# Altium PCB 400389.PcbDoc (part 1 of 8) (continued)
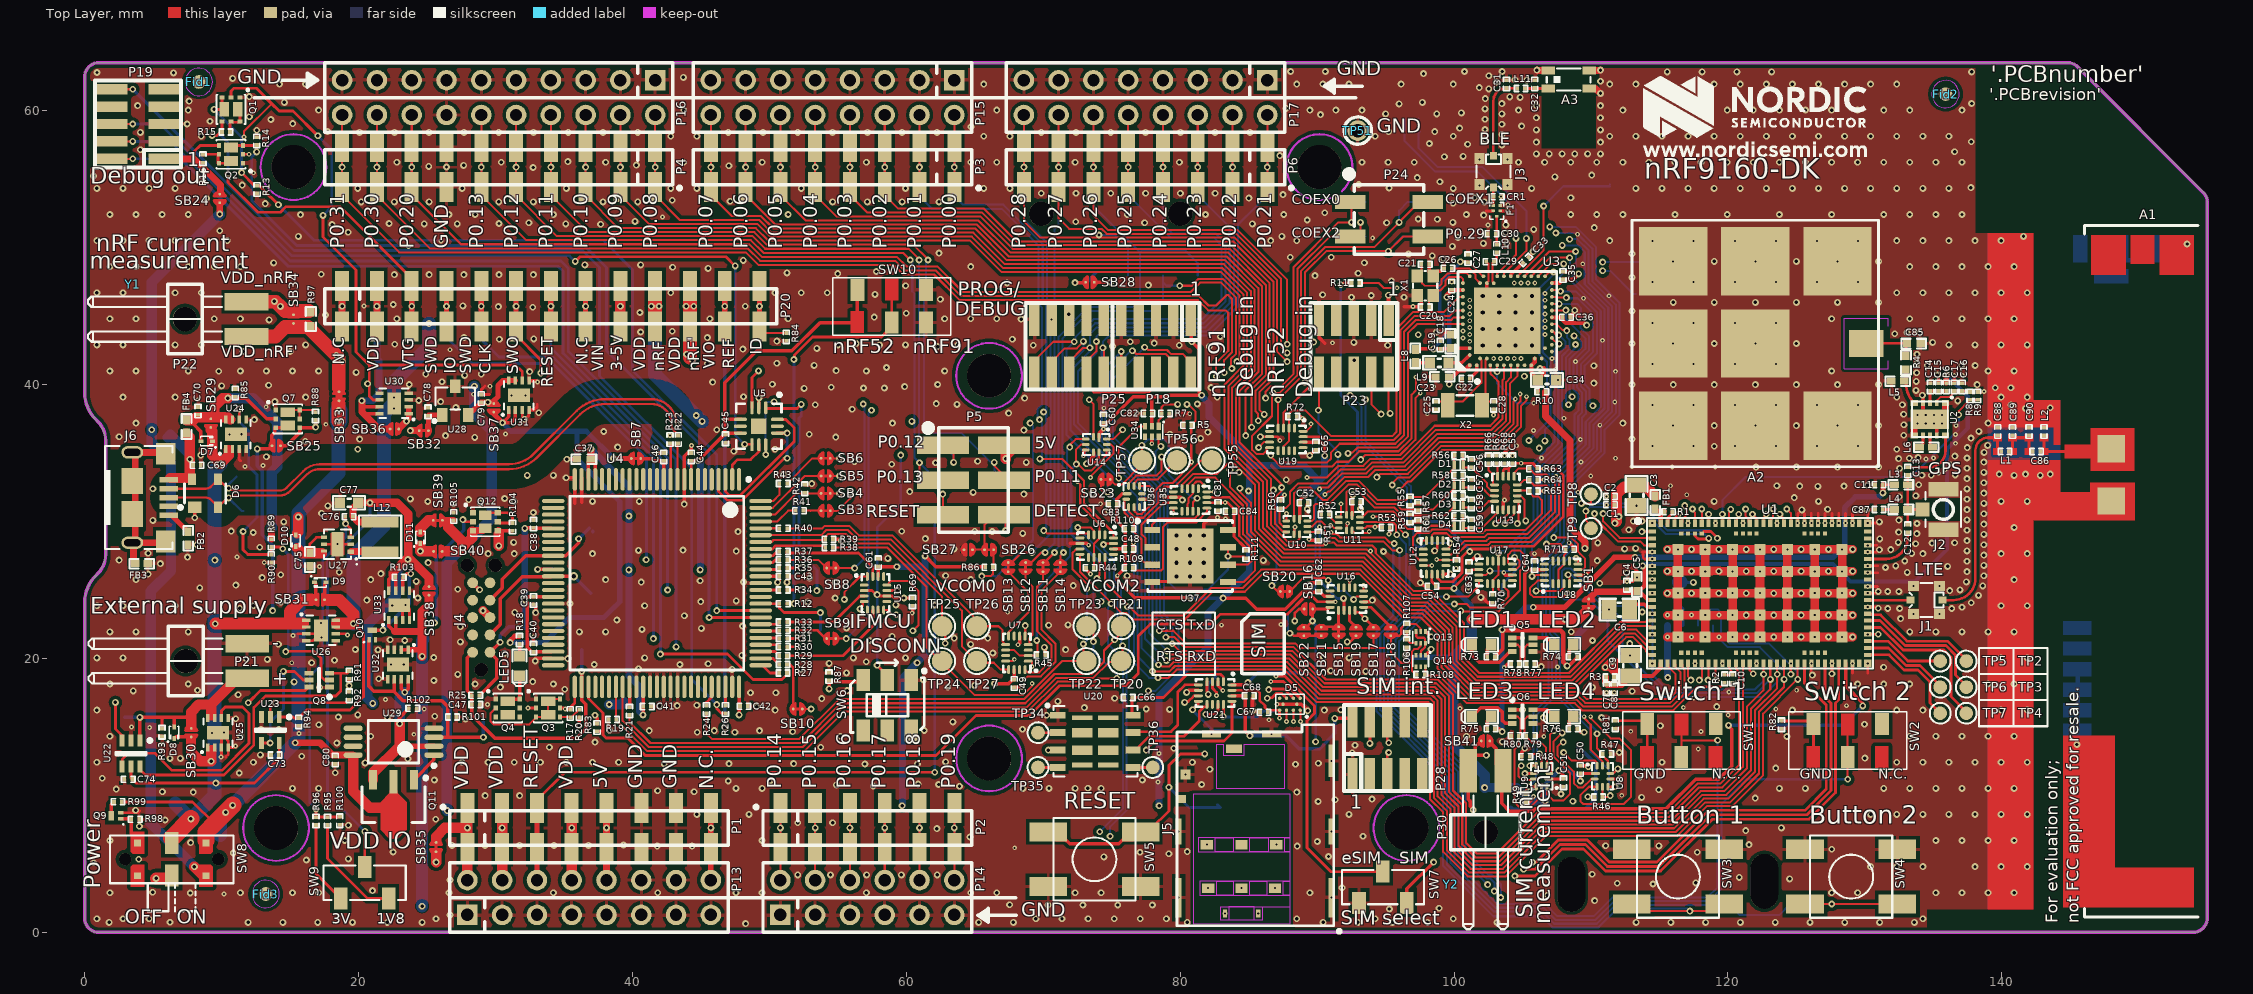
[diagram p0: Top Layer view]
## Components (designator, comment, footprint, x,y, rotation, side; value= is the part's Value field where it differs from the comment) (continued)
P10 "Pin List 1x10" LIST_1x10_SMD-NC 41.656,55.881 r180 bottom locked
P11 "Socket 2x3" SOCKET_2x3_SMD-2.54mm-bottom-NC 64.897,33.021 r270 top locked
P12 "Pin List 1x8" LIST_1x8_SMD-NC 86.36,55.881 r180 bottom locked
P13 "Pin Header 2x8" HDR_2x8-NC 36.83,2.541 r0 top locked
P14 "Pin Header 2x6" HDR_2x6-NC 57.15,2.541 r0 top locked
P15 "Pin Header 2x8" HDR_2x8-NC 54.61,60.961 r180 top locked
P16 "Pin Header 2x10" HDR_2x10-NC 30.226,60.961 r180 top locked
P17 "Pin Header 2x8" HDR_2x8-NC 77.47,60.961 r180 top locked
P18 "Pin Header 2x5, 1.27mm" HDR_2x5-SMD-1.27mm-K 78.232,42.8 r180 top locked
P19 "Pin Header 2x5, 1.27mm" HDR_2x5-SMD-1.27mm-K 3.886,59.031 r90 top locked
P20 "Pin List 1x13" LIST_1x13_SMD 18.796,45.721 r0 top locked
P21 "Pin List 1x2, Angled" LIST_ANG_1x2-SMD-2.54MM 11.862,19.813 r270 top
P22 "Pin List 1x2, Angled" LIST_ANG_1x2-SMD-2.54MM 11.811,44.779 r270 top
P23 "Pin Header 2x5, 1.27mm" HDR_2x5-SMD-1.27mm-K 92.675,42.8 r180 top locked
P24 "SSM-102-T-DV-BE-TR" SSM-102-T-DV-BE-TR 95.25,52.071 r270 top locked
P25 "Pin Header 2x10, 1.27mm" HDR_2x10-SMD-1.27mm-NC 75.057,42.8 r180 top locked
P26 "Socket 1x13" LIST_1x13_SMD-NC 18.796,45.721 r0 bottom locked
P27 "Conn 2x2" HDR_2x2-SMD 95.25,52.071 r270 bottom locked
P28 "Pin Header 2x5, 1.27mm" HDR_2x5-SMD-1.27mm 95.123,13.463 r0 top locked
P29 "Pin List 1x6, Angled" LIST_ANG_1x6-SMD-2.54MM 74.93,47.981 r0 bottom locked
P30 "Pin List 1x2, Angled" LIST_ANG_1x2-SMD-2.54MM 102.3,11.8 r0 top locked
Q1 "PMCPB5530" PMCPB5530X 10.677,60.097 r270 top
Q2 "PMCPB5530" PMCPB5530X 10.677,56.821 r180 top
Q3 "PMCPB5530" PMCPB5530X 33.84,16.383 r0 top
Q4 "PMCPB5530" PMCPB5530X 30.886,16.383 r0 top
Q5 "NX3020NAKV" NX3020NAKV 105,21 r0 top
Q6 "NX3020NAKV" NX3020NAKV 105,15.75 r0 top
Q7 "PMCPB5530" PMCPB5530X 14.821,37.491 r0 top
Q8 "NX3020NAKV" NX3020NAKV 17.113,18.416 r180 top
Q9 "RV2C010UNT2L" DFN65P100X40-3L 2.286,8.51 r180 top
Q10 "RV2C010UNT2L" DFN65P100X40-3L 21.006,21.718 r90 top
Q11 "FCX690BTA" SOT89-150P409X160-3N 22.548,9.346 r270 top locked
Q12 "TSM2537CQ RFG" DFN65P200X200X80_HS-6N 29.248,29.984 r0 top
Q13 "DMC2990UDJ" SOTFL35P100X50-6N 97.561,21.539 r270 top
Q14 "DMC2990UDJ" SOTFL35P100X50-6N 97.561,19.812 r270 top
R1 "10k" RESC0603X03L_C 115.672,30.709 r0 top
R2 "1k" RESC0603X03L_C 119.761,18.517 r90 top
R3 "0R" RESC0603X03L_C 111.4,18.65 r180 top
R4 "0R" RESC1005X04L 133,41.6 r90 top
R5 "1M0" RESC0603X03L_C 80.518,37.033 r0 top
R6 "0R" RESC0603X03L_C 135.95,39.822 r90 top
R7 "1M0" RESC0603X03L_C 78.918,37.897 r180 top
R8 "0R" RESC0603X03L_C 137.675,39.172 r90 top
R9 "1M0" RESC0603X03L_C 138.25,39.172 r270 top
R10 "0R" RESC0603X03L_C 106.399,39.477 r180 top
R11 "1M0" RESC0603X03L_C 92.786,47.422 r180 top
R12 "100k" RESC0603X03L_C 51.007,24.001 r180 top
R13 "10k" RESC0603X03L_C 12.584,54.24 r90 top
R14 "10k" RESC0603X03L_C 12.562,57.786 r90 top
R15 "10k" RESC0603X03L_C 10.312,58.446 r0 top
R16 "10k" RESC0603X03L_C 8.626,56.491 r270 top
R17 "N.C." RESC0603X03L_C_NC 35.458,15.977 r270 top
R18 "120R" RESC0603X03L_C 31.75,21.336 r90 top
R19 "1M0" RESC0603X03L_C 38.532,15.545 r180 top
R20 "10k" RESC0603X03L_C 36.119,15.977 r90 top
R21 "150R" RESC0603X03L_C 39.783,16.15 r270 top
R22 "33R" RESC0603X03L_C 43.334,35.995 r270 top
R23 "33R" RESC0603X03L_C 42.732,35.995 r270 top
R24 "150R" RESC0603X03L_C 45.402,16.277 r270 top
R25 "100k" RESC0603X03L_C 28.547,17.304 r0 top
R26 "150R" RESC0603X03L_C 46.783,16.277 r270 top
R27 "150R" RESC0603X03L_C 50.998,18.933 r0 top
R28 "150R" RESC0603X03L_C 50.998,19.559 r0 top
R29 "150R" RESC0603X03L_C 50.998,20.194 r0 top
R30 "150R" RESC0603X03L_C 51.007,20.849 r0 top
R31 "150R" RESC0603X03L_C 51.007,21.45 r0 top
R32 "150R" RESC0603X03L_C 51.007,22.052 r0 top
R33 "150R" RESC0603X03L_C 51.007,22.653 r0 top
R34 "150R" RESC0603X03L_C 51.007,25.001 r0 top
R35 "150R" RESC0603X03L_C 51.007,26.603 r0 top
R36 "150R" RESC0603X03L_C 51.007,27.204 r0 top
R37 "150R" RESC0603X03L_C 51.007,27.806 r0 top
R38 "150R" RESC0603X03L_C 54.357,28.106 r0 top
R39 "1M0" RESC0603X03L_C 54.356,28.702 r0 top
R40 "150R" RESC0603X03L_C 51.007,29.501 r0 top
R41 "150R" RESC0603X03L_C 52.197,30.795 r0 top
R42 "1M0" RESC0603X03L_C 52.578,32.396 r90 top
R43 "150R" RESC0603X03L_C 51.007,32.771 r0 top
R44 "1M0" RESC0603X03L_C 73.406,26.619 r0 top
R45 "1M0" RESC0603X03L_C 69.85,20.244 r180 top
R46 "1M0" RESC0603X03L_C 110.541,9.881 r0 top
R47 "1M0" RESC0603X03L_C 111.15,13.03 r180 top
R48 "1M0" RESC0603X03L_C 105.232,12.827 r0 top
R49 "1M0" RESC0603X03L_C 105.232,9.804 r90 top
R50 "1M0" RESC0603X03L_C 87.325,31.242 r270 top
R51 "1M0" RESC0603X03L_C 90.094,28.931 r90 top
R52 "1M0" RESC0603X03L_C 90.576,30.505 r0 top
R53 "1M0" RESC0603X03L_C 95.021,29.566 r180 top
R54 "1M0" RESC0603X03L_C 100.178,26.873 r90 top
R55 "100k" RESC0603X03L_C 96.774,31.496 r270 top
R56 "18k" RESC0603X03L_C 100.33,34.849 r180 top
R57 "100k" RESC0603X03L_C 97.358,31.09 r90 top
R58 "18k" RESC0603X03L_C 100.33,33.376 r180 top
R59 "100k" RESC0603X03L_C 96.774,30.251 r270 top
R60 "18k" RESC0603X03L_C 100.33,31.902 r180 top
R61 "100k" RESC0603X03L_C 97.358,29.794 r90 top
R62 "18k" RESC0603X03L_C 100.33,30.429 r180 top
R63 "4k7" RESC0603X03L_C 105.791,33.858 r0 top
R64 "4k7" RESC0603X03L_C 105.791,33.045 r0 top
R65 "12k" RESC0603X03L_C 105.791,32.233 r0 top
R66 "12k" RESC0603X03L_C 102.514,34.519 r90 top
R67 "N.C." RESC0603X03L_C_NC 103.099,34.519 r90 top
R68 "0R" RESC0603X03L_C 103.683,34.519 r270 top
R69 "1M0" RESC0603X03L_C 60.452,24.131 r90 top
R70 "1M0" RESC0603X03L_C 102.819,24.359 r90 top
R71 "1M0" RESC0603X03L_C 108.433,27.965 r180 top
R72 "1M0" RESC0603X03L_C 88.214,37.668 r180 top
R73 "120R" RESC0603X03L_C 102.699,20.118 r0 top
R74 "120R" RESC0603X03L_C 108.699,20.118 r0 top
R75 "120R" RESC0603X03L_C 102.699,14.868 r0 top
R76 "120R" RESC0603X03L_C 108.699,14.868 r0 top
R77 "1M0" RESC0603X03L_C 105.574,19.6 r180 top
R78 "1M0" RESC0603X03L_C 104.456,19.6 r0 top
R79 "1M0" RESC0603X03L_C 105.563,14.35 r180 top
R80 "1M0" RESC0603X03L_C 104.445,14.35 r0 top
R81 "1k" RESC0603X03L_C 111.769,15.159 r90 top
R82 "1k" RESC0603X03L_C 123.906,15.157 r90 top
R83 "100k" RESC0603X03L_C 37.414,14.961 r90 top
R84 "422R" RESC0603X03L_C 51.232,43.485 r90 top
R85 "150k" RESC0603X03L_C 10.986,39.396 r270 top
R86 "1M0" RESC0603X03L_C 66.04,26.67 r180 top
R87 "47k" RESC0603X03L_C 54.356,18.67 r270 top
R88 "1M0" RESC0603X03L_C 16.853,37.703 r90 top
R89 "820k" RESC0603X03L_C 13.623,28.424 r90 top
R90 "470k" RESC0603X03L_C 13.623,27.306 r90 top
R91 "1M0" RESC0603X03L_C 19.304,18.797 r270 top
R92 "1M0" RESC0603X03L_C 19.304,17.273 r90 top
R93 "10M" RESC0603X03L_C 5.639,14.606 r90 top
R94 "10M" RESC0603X03L_C 15.625,15.368 r90 top
R95 "150k" RESC0603X03L_C 17.729,8.129 r270 top
R96 "330k" RESC0603X03L_C 16.891,8.129 r270 top
R97 "N.C." RESC1005X04L_NC 16.51,44.779 r270 top
R98 "10M" RESC0603X03L_C 3.683,8.256 r180 top
R99 "1k" RESC0603X03L_C 2.413,9.526 r0 top
R100 "120k" RESC0603X03L_C 18.629,8.144 r90 top
R101 "100k" RESC0603X03L_C 26.848,15.723 r0 top
R102 "10M" RESC0603X03L_C 23.952,16.358 r180 top
R103 "1M0" RESC0603X03L_C 22.962,25.934 r180 top
R104 "10k" RESC0603X03L_C 31.243,29.603 r90 top
R105 "10k" RESC0603X03L_C 26.939,30.365 r270 top
R106 "10k" RESC0603X03L_C 96.545,21.082 r90 top
R107 "100k" RESC0603X03L_C 96.545,22.225 r270 top
R108 "N.C." RESC0603X03L_C_NC 97.561,18.821 r0 top
R109 "100k" RESC0603X03L_C 76.27,26.619 r180 top
R110 "100k" RESC0603X03L_C 76.27,29.463 r180 top
R111 "100k" RESC0603X03L_C 84.8,27.59 r90 top
SB1 "Solderbridge" Solderbridge_Shorted#1 109.824,24.003 r90 top net-tie
SB2 "Solderbridge" Solderbridge#1 116.475,25.575 r0 bottom
SB3 "Solderbridge" Solderbridge_Shorted#1 54.107,30.784 r180 top net-tie
SB4 "Solderbridge" Solderbridge_Shorted#1 54.107,32.054 r180 top net-tie
SB5 "Solderbridge" Solderbridge_Shorted#1 54.107,33.324 r180 top net-tie
SB6 "Solderbridge" Solderbridge_Shorted#1 54.107,34.615 r180 top net-tie
SB7 "Solderbridge" Solderbridge_Shorted#1 40.257,34.6 r180 top net-tie
SB8 "Solderbridge" Solderbridge_Shorted#1 54.514,26.603 r180 top net-tie
SB9 "Solderbridge" Solderbridge_Shorted#1 54.514,21.45 r180 top net-tie
SB10 "Solderbridge" Solderbridge_Shorted#1 52.07,16.308 r180 top net-tie
SB11 "Solderbridge" Solderbridge_Shorted#1 69.977,26.67 r270 top net-tie
SB12 "Solderbridge" Solderbridge_Shorted#1 68.707,26.67 r270 top net-tie
SB13 "Solderbridge" Solderbridge_Shorted#1 67.437,26.67 r270 top net-tie
SB14 "Solderbridge" Solderbridge_Shorted#1 71.247,26.67 r270 top net-tie
SB15 "Solderbridge" Solderbridge_Shorted#1 91.567,21.971 r270 top net-tie
SB16 "Solderbridge" Solderbridge#2 89.357,23.611 r180 top
SB17 "Solderbridge" Solderbridge#3 94.107,21.971 r270 top
SB18 "Solderbridge" Solderbridge#4 95.377,21.971 r270 top
SB19 "Solderbridge" Solderbridge#5 92.837,21.971 r270 top
SB20 "Solderbridge" Solderbridge_Shorted#1 87.655,24.892 r180 top net-tie
SB21 "Solderbridge" Solderbridge#5 90.297,21.971 r90 top
SB22 "Solderbridge" Solderbridge#3 89.027,21.971 r270 top
SB23 "Solderbridge" Solderbridge_Shorted#1 74.547,33.076 r0 top net-tie
SB24 "Solderbridge" Solderbridge#3 9.855,53.595 r270 top
SB25 "Solderbridge" Solderbridge#6 13.983,35.535 r180 top
SB26 "Solderbridge" Solderbridge_Shorted#1 66.04,27.941 r0 top net-tie
SB27 "Solderbridge" Solderbridge#5 64.516,27.941 r0 top
SB28 "Solderbridge" Solderbridge#7 73.406,47.473 r180 top
SB29 "Solderbridge" Solderbridge#8 9.208,37.187 r90 top
SB30 "Solderbridge" Solderbridge#9 7.772,14.581 r90 top
SB31 "Solderbridge" Solderbridge#6 17.196,24.283 r0 top
SB32 "Solderbridge" Solderbridge_Shorted#2 24.755,36.637 r180 top net-tie
SB33 "Solderbridge" Solderbridge_Shorted_Power 18.565,39.148 r90 top net-tie
SB34 "Solderbridge" Solderbridge#4 15.24,44.779 r270 top
SB35 "Solderbridge" Solderbridge_Shorted#1 25.654,6.224 r270 top net-tie
SB36 "Solderbridge" Solderbridge#8 22.606,36.755 r180 top
SB37 "Solderbridge" Solderbridge#10 29.87,38.304 r270 top
SB38 "Solderbridge" Solderbridge#3 25.135,24.938 r90 top
SB39 "Solderbridge" Solderbridge_Shorted#1 25.781,30.084 r180 top net-tie
SB40 "Solderbridge" Solderbridge#3 25.781,27.814 r0 top
SB41 "Solderbridge" Solderbridge#8 102.3,13.975 r180 top
SW1 "JS102011JCQN" JS102011JCQN 116.6,14 r180 top locked
SW2 "JS102011JCQN" JS102011JCQN 128.746,14 r180 top
SW3 "PB SW" Switch-PB-6.2x6.3mm-SMD 116.346,4.065 r0 top locked
SW4 "PB SW" Switch-PB-6.2x6.3mm-SMD 129,4.065 r0 top
SW5 "PB SW" Switch-PB-6.2x6.3mm-SMD 73.736,5.334 r180 top locked
SW6 "CAS-220TA" CAS-220TA 58.611,16.588 r180 top locked
SW7 "Switch" CJS-120xA 94.8,3.3 r0 top
SW8 "Switch" JS102011JAQN 6.35,5.335 r0 top locked
SW9 "Switch" CJS-120xA 20.442,3.624 r0 top
SW10 "JS102011JCQN" JS102011JCQN 58.928,45.72 r180 top
TP2 "Ø1.0mm,SMD" TP_SMD_D1.0mm 137.405,19.81 r0 top
TP3 "Ø1.0mm,SMD" TP_SMD_D1.0mm 137.405,17.905 r0 top
TP4 "Ø1.0mm,SMD" TP_SMD_D1.0mm 137.405,16 r0 top
TP5 "Ø1.0mm,SMD" TP_SMD_D1.0mm 135.5,19.81 r0 top
TP6 "Ø1.0mm,SMD" TP_SMD_D1.0mm 135.5,17.905 r0 top
TP7 "Ø1.0mm,SMD" TP_SMD_D1.0mm 135.5,16 r0 top
TP8 "Ø1.0mm,SMD" TP_SMD_D1.0mm 110,32 r270 top
TP9 "Ø1.0mm,SMD" TP_SMD_D1.0mm 110,29.5 r270 top
TP10 "Ø1.5mm,SMD" TP_SMD_D1.5mm 105.819,38.637 r180 bottom locked
TP11 "Ø1.5mm,SMD" TP_SMD_D1.5mm 111.379,54.484 r180 bottom locked
TP12 "Ø1.5mm,SMD" TP_SMD_D1.5mm 113.284,46.61 r90 bottom locked
TP13 "Ø1.5mm,SMD" TP_SMD_D1.5mm 114.808,48.979 r90 bottom locked
TP14 "Ø1.5mm,SMD" TP_SMD_D1.5mm 53.721,22.079 r90 bottom locked
TP15 "Ø1.5mm,SMD" TP_SMD_D1.5mm 32.129,22.353 r90 bottom locked
TP16 "Ø1.5mm,SMD" TP_SMD_D1.5mm 36.957,24.766 r90 bottom locked
TP17 "Ø1.5mm,SMD" TP_SMD_D1.5mm 36.283,20.65 r90 bottom locked
TP18 "Ø1.5mm,SMD" TP_SMD_D1.5mm 36.83,29.529 r90 bottom locked
TP19 "Ø1.5mm,SMD" TP_SMD_D1.5mm 34.163,26.544 r90 bottom locked
TP20 "Ø1.5mm,SMD" TP_SMD_D1.5mm 75.692,19.812 r0 top locked
TP21 "Ø1.5mm,SMD" TP_SMD_D1.5mm 75.692,22.352 r0 top locked
TP22 "Ø1.5mm,SMD" TP_SMD_D1.5mm 73.152,19.812 r0 top locked
TP23 "Ø1.5mm,SMD" TP_SMD_D1.5mm 73.152,22.352 r0 top locked
TP24 "Ø1.5mm,SMD" TP_SMD_D1.5mm 62.611,19.812 r0 top locked
TP25 "Ø1.5mm,SMD" TP_SMD_D1.5mm 62.611,22.352 r0 top locked
TP26 "Ø1.5mm,SMD" TP_SMD_D1.5mm 65.151,22.352 r0 top locked
TP27 "Ø1.5mm,SMD" TP_SMD_D1.5mm 65.151,19.812 r0 top locked
TP29 "Ø1.5mm,SMD" TP_SMD_D1.5mm 127.127,11.177 r90 bottom locked
TP31 "Ø1.5mm,SMD" TP_SMD_D1.5mm 125.476,2.065 r90 bottom locked
TP32 "Ø1.5mm,SMD" TP_SMD_D1.5mm 82.931,9.111 r90 bottom locked
TP33 "Ø1.5mm,SMD" TP_SMD_D1.5mm 88.804,18.912 r180 bottom locked
TP34 "Ø1.0mm,SMD" TP_SMD_D1.0mm 69.613,14.581 r270 top
TP35 "Ø1.0mm,SMD" TP_SMD_D1.0mm 69.613,12.041 r225 top
TP36 "Ø1.0mm,SMD" TP_SMD_D1.0mm 77.995,12.041 r225 top
TP37 "Ø1.5mm,SMD" TP_SMD_D1.5mm 82.839,19.442 r180 bottom locked
TP38 "Ø1.5mm,SMD" TP_SMD_D1.5mm 83.82,14.733 r180 bottom locked
TP39 "Ø1.5mm,SMD" TP_SMD_D1.5mm 86.96,16.14 r180 bottom locked
TP40 "Ø1.5mm,SMD" TP_SMD_D1.5mm 6.248,36.323 r180 bottom locked
TP41 "Ø1.5mm,SMD" TP_SMD_D1.5mm 66.759,26.163 r180 bottom locked
TP42 "Ø1.5mm,SMD" TP_SMD_D1.5mm 6.985,25.102 r180 bottom locked
TP43 "Ø1.5mm,SMD" TP_SMD_D1.5mm 11.074,33.276 r180 bottom locked
TP44 "Ø1.5mm,SMD" TP_SMD_D1.5mm 11.582,30.76 r180 bottom locked
TP45 "Ø1.5mm,SMD" TP_SMD_D1.5mm 104.154,9.145 r180 bottom locked
TP46 "Ø1.5mm,SMD" TP_SMD_D1.5mm 2.921,15.718 r90 bottom locked
TP47 "Ø1.5mm,SMD" TP_SMD_D1.5mm 6.604,9.399 r90 bottom locked
TP48 "Ø1.5mm,SMD" TP_SMD_D1.5mm 24.795,21.38 r90 bottom locked
TP49 "Ø1.5mm,SMD" TP_SMD_D1.5mm 9.869,7.113 r90 bottom locked
TP50 "Ø1.5mm,SMD" TP_SMD_D1.5mm 39.37,16.803 r90 bottom locked
TP51 "TP" TESTPAD-TH 92.964,58.548 r0 top
TP53 "Ø1.5mm,SMD" TP_SMD_D1.5mm 29.108,15.386 r90 bottom locked
TP54 "Ø1.5mm,SMD" TP_SMD_D1.5mm 22.987,13.965 r90 bottom locked
TP55 "Ø1.5mm,SMD" TP_SMD_D1.5mm 82.296,34.468 r0 top
TP56 "Ø1.5mm,SMD" TP_SMD_D1.5mm 79.756,34.468 r0 top
TP57 "Ø1.5mm,SMD" TP_SMD_D1.5mm 77.216,34.468 r0 top
U1 "nRF9160-SICAB1A" LGA50P1600X1050X104-161N 122.34,24.764 r0 top locked
U2 "SKY65943-11" SKY65943-11 134.747,37.465 r270 top
U3 "nRF52840-QIAA" AQFN50P700X700X85_HS-74N 103.894,44.661 r90 top
U4 "MK22FN128VLL10" TSQFP50P1600X1600X160-100N 41.783,25.501 r270 top locked
U5 "DG2034EDN" DG2034EDN 49.228,36.958 r270 top
U6 "FSA2466UMX" XQFN40P180X260X50-16N 73.902,28.2 r270 top
U7 "FSA2466UMX" XQFN40P180X260X50-16N 68.072,20.409 r180 top
U8 "FSA2259UMX" UFQFN40P140X180X55-10N 110.842,11.399 r0 top
U9 "FSA2259UMX" UFQFN40P140X180X55-10N 106.398,11.399 r180 top
U10 "FSA2259UMX" UFQFN40P140X180X55-10N 88.519,29.642 r270 top locked
U11 "FSA2259UMX" UFQFN40P140X180X55-10N 92.354,29.921 r270 top
U12 "NX3DV2567" XQFN40P180X260X50-16N 98.577,27.381 r180 top
U13 "PCAL6408A" XQFN40P180X260X50-16N 103.784,32.08 r0 top
U14 "FSA2259UMX" UFQFN40P140X180X55-10N 73.87,35.621 r270 top
U15 "FSA2466UMX" XQFN40P180X260X50-16N 57.746,24.757 r0 top
U16 "FSA2466UMX" XQFN40P180X260X50-16N 92.168,24.338 r90 top
U17 "FSA2466UMX" XQFN40P180X260X50-16N 103.033,26.285 r90 top locked
U18 "FSA2466UMX" XQFN40P180X260X50-16N 107.817,26.285 r90 top locked
U19 "FSA2466UMX" XQFN40P180X260X50-16N 87.75,35.991 r270 top locked
U20 "MFFx_M2M_UICC" SON127P600X90_HS-8N 73.804,13.946 r0 top value="M2M UICC"
U21 "NX3DV2567" XQFN40P180X260X50-16N 82.55,17.474 r270 top locked
U22 "74LVC1G11" SOT65P210X100-6N 3.378,13.057 r270 top
U23 "74LVC1G08" SOT65P210X100-5N 13.552,14.774 r270 top
U24 "ADP198ACPZ" UFDFN50P200X200X60_HS-9N 11.036,36.374 r90 top
U25 "ADP198ACPZ" UFDFN50P200X200X60_HS-9N 9.728,14.581 r90 top
U26 "ADP198ACPZ" UFDFN50P200X200X60_HS-9N 17.247,22.048 r0 top
U27 "XC9236" USP-6C 18.453,28.345 r180 top
U28 "AP7333-33SAG-7" SOT-23A 26.101,37.779 r0 top
U29 "TS27L2IPT" TSOP65P640X120-8N 22.548,13.918 r180 top
U30 "ADP198ACPZ" UFDFN50P200X200X60_HS-9N 22.59,38.631 r180 top
U31 "ADP198ACPZ" UFDFN50P200X200X60_HS-9N 31.699,39.219 r90 top
U32 "ADP198ACPZ" UFDFN50P200X200X60_HS-9N 22.86,19.559 r270 top
U33 "ADP198ACPZ" UFDFN50P200X200X60_HS-9N 22.962,23.877 r90 top
U34 "FSA4157L6X" PSON50P100X60-6N 77.927,36.576 r270 top
U35 "FSA2466UMX" XQFN40P180X260X50-16N 80.721,31.572 r270 top locked
U36 "FSA2259UMX" UFQFN40P140X180X55-10N 76.632,31.826 r0 top
U37 "MX25R6435FZNIL0" SON127P600X80_HS-9N 80.721,27.483 r0 top value=MX25R6435F
X1 "32MHz" BT-XTAL_2016 97.892,47.219 r270 top
X2 "32.768kHz" XTAL_3215 100.787,38.481 r0 top
Y1 "Shunt 2.54mm" Shunt_2.54mm_Horizontal 3.505,47.319 r270 top
Y2 "Shunt 2.54mm" Shunt_2.54mm_Horizontal 99.76,3.494 r0 top

## Footprints (in the part's own frame and the unit in brackets; to place one, negate y for a bottom-side part, rotate by r counter-clockwise, add the part's x,y. Pads: shape width x height; smd on the part's side, far side on the other; paste and mask are expansions set on the pad)
2450AT18D0100_STD-L [mm] "2450MHz Antenna"
  rect 1x0.6 smd mask+0.051: 1(-1.5,-0.65) 2(-1.5,0.65) 2(1.5,-0.65) 2(1.5,0.65)
  Top Layer pour cut-out: -2,-5.05 -2,0.95 2,0.95 2,-5.05
  Bottom Layer pour cut-out: -2,-5.05 -2,0.95 2,0.95 2,-5.05
  silkscreen extent -1.6,-0.8 1.6,0.8, body extent -1.61,-0.81 1.61,0.81, height 1.2
AQFN50P700X700X85_HS-74N [mm] "AQFN, 73-Leads, Body 7.00x7.00mm, Pitch 0.50mm, Thermal Pad 4.95x4.95mm, IPC Medium Density"
  rect 4.85x4.85 smd paste-5 mask+0.05: 74(0,0)
  round 0.275 smd paste+0.012 mask+0.05: A8(-1.25,3.25) A10(-0.75,3.25) A12(-0.25,3.25) A14(0.25,3.25) A16(0.75,3.25) A18(1.25,3.25) A20(1.75,3.25) A22(2.25,3.25) A23(2.75,3.25) AA24(3.25,-2.25) AB2(-2.75,-2.5) AC5(-2,-2.75) AC9(-1,-2.75) AC11(-0.5,-2.75) AC13(0,-2.75) AC15(0.5,-2.75) AC17(1,-2.75) AC19(1.5,-2.75) AC21(2,-2.75) AC24(3.25,-2.75) AD2(-2.75,-3.25) AD4(-2.25,-3.25) AD6(-1.75,-3.25) AD8(-1.25,-3.25) AD10(-0.75,-3.25) AD12(-0.25,-3.25) AD14(0.25,-3.25) AD16(0.75,-3.25) AD18(1.25,-3.25) AD20(1.75,-3.25) AD22(2.25,-3.25) AD23(2.75,-3.25) B1(-3.25,2.75) B3(-2.5,2.75) B5(-2,2.75) B7(-1.5,2.75) B9(-1,2.75) B11(-0.5,2.75) B13(0,2.75) B15(0.5,2.75) B17(1,2.75) B19(1.5,2.75) B24(3.25,2.75) C1(-3.25,2.25) D2(-2.75,2) D23(2.75,2) E24(3.25,1.75) F2(-2.75,1.5) F23(2.75,1.5) G1(-3.25,1.25) H2(-2.75,1) H23(2.75,1) J1(-3.25,0.75) J24(3.25,0.75) K2(-2.75,0.5) L1(-3.25,0.25) L24(3.25,0.25) M2(-2.75,0) N1(-3.25,-0.25) N24(3.25,-0.25) P2(-2.75,-0.5) P23(2.75,-0.5) R1(-3.25,-0.75) R24(3.25,-0.75) T2(-2.75,-1) T23(2.75,-1) U1(-3.25,-1.25) U24(3.25,-1.25) V23(2.75,-1.5) W1(-3.25,-1.75) W24(3.25,-1.75) Y2(-2.75,-2) Y23(2.75,-2)
  rrect15% 0.94x0.94 on Top Paste: ""(-1.71,-1.71) ""(-1.71,-0.57) ""(-1.71,0.57) ""(-1.71,1.71) ""(-0.57,1.71) ""(-0.57,-0.57) ""(-0.57,0.57) ""(-0.57,-1.71) ""(0.57,1.71) ""(0.57,-0.57) ""(0.57,0.57) ""(0.57,-1.71) ""(1.71,-1.71) ""(1.71,-0.57) ""(1.71,0.57) ""(1.71,1.71)
  silkscreen extent -4.56,-3.6 3.6,3.6, body extent -3.5,-3.5 3.5,3.5, height 0.87
BT-XTAL_2016 [mm] "Crystal 2.0 x 1.6 mm"
  rect 0.95x0.85 smd: 1(-0.725,-0.575) 2(0.725,-0.575) 3(0.725,0.575) 4(-0.725,0.575)
  silkscreen extent -1.08,-0.88 1.08,0.88, body extent -1.05,-0.85 1.05,0.85, height 0.56
CAPC0603X03L_C [mm] "Chip Capacitor, 2-Leads, Body 0.6x0.3mm, IPC High Density"
  rect 0.27x0.3 smd mask+0.05: 1(-0.285,0) 2(0.285,0)
  silkscreen extent -0.49,-0.22 0.49,0.22, body extent -0.3,-0.15 0.31,0.15, height 0.3
CAPC0603X03L_C_NC [mm] "Chip Capacitor, 2-Leads, Body 0.6x0.3mm, IPC High Density"
  rect 0.27x0.3 smd mask+0.05: 1(-0.285,0) 2(0.285,0)
  silkscreen extent -0.49,-0.22 0.49,0.22
CAPC1005X04L [mm] "Chip Capacitor, 2-Leads, Body 1.0x0.5mm, IPC High Density"
  rect 0.6x0.5 smd: 1(-0.5,0) 2(0.5,0)
  silkscreen extent -0.9,-0.35 0.9,0.35, body extent -0.51,-0.25 0.51,0.25, height 0.5
CAPC1005X04L_NC [mm] "Chip Capacitor, 2-Leads, Body 1.0x0.5mm, IPC High Density"
  rect 0.6x0.5 smd: 1(-0.5,0) 2(0.5,0)
  silkscreen extent -0.9,-0.35 0.9,0.35
CAPC1608X06L [mm] "Chip Capacitor, 2-Leads, Body 1.6x0.8mm, IPC High Density"
  rect 0.75x0.8 smd: 1(-0.675,0) 2(0.675,0)
  silkscreen extent -1.17,-0.5 1.17,0.5, body extent -0.8,-0.43 0.8,0.43, height 0.8
CAPC2012X11L [mm] "Chip Capacitor, 2-Leads, Body 2.0x1.3mm, IPC High Density"
  rect 1.1x1.4 smd: 1(-0.75,0) 2(0.75,0)
  silkscreen extent -1.43,-0.8 1.42,0.8, body extent -1,-0.62 1,0.63, height 0.77
CAS-220TA [mm] "SLIDE SWITCH DPDT J HOOK"
  rect 1x1.6 smd: 1(-1.75,-1.85) 2(0,-1.85) 3(1.75,-1.85) 4(-1.75,1.85) 5(0,1.85) 6(1.75,1.85)
  silkscreen extent -2.8,-2.6 2.7,2, body extent -2.7,-2.15 2.7,2.16, height 2.51
CJS-120xA [mm] "Slide Switches - SPDT, SMD, ON-ON"
  rect 1x1.6 smd: 1(1.75,-1.15) 2(0,1.15) 3(-1.75,-1.15)
  silkscreen extent -3,-1.25 3,1.25, body extent -3,-1.4 3,1.45, height 2.5
CM1402 [mm]
  round 0.25 smd mask+0.05: A1(-0.75,0.435) A2(-0.25,0.435) A3(0.25,0.435) A4(0.75,0.435) B1(-0.5,0) B2(0.5,0) C1(-0.75,-0.435) C2(-0.25,-0.435) C3(0.25,-0.435) C4(0.75,-0.435)
  silkscreen extent -1.28,-0.73 1.04,0.96, body extent -0.98,-0.66 0.98,0.66, height 0.72
"COAXIAL RF U.FL-R-SMT-1" [mm]
  rect 1x1.05 smd: 1(0,-1.525)
  rect 1.05x2.2 smd: 2(-1.475,0) 2(1.475,0)
  Top Layer pour cut-out: 0.85,1.3 -0.85,1.3 -0.85,-1.525 0.85,-1.525
  silkscreen extent -1.32,-1.3 1.28,1.3, body extent -1.5,-1.6 1.5,1.5, height 1.25
COAXIAL-SWF [mm]
  rect 0.5x0.58 smd: 1(0,1.16) 3(0,-1.16)
  rect 0.75x0.8 smd: 2(-1.025,-0.95) 2(-1.025,0.95) 2(1.025,-0.95) 2(1.025,0.95)
  Top Layer pour cut-out: -0.65,0.55 0.65,0.55 0.65,1.35 -0.65,1.35
  Top Layer pour cut-out: 0.65,-0.55 -0.65,-0.55 -0.65,-1.35 0.65,-1.35
  silkscreen extent -1.25,-1.25 1.25,1.25, body extent -1.26,-1.3 1.26,1.3, height 1.55
DFN65P100X40-3L [mm] "DFN, 3-Leads, Body 0.60x1.00mm, Pitch 0.65mm, IPC High Density"
  rect 0.4x0.25 smd mask+0.065: 1(-0.35,0.225) 2(-0.35,-0.225)
  rect 0.4x0.7 smd mask+0.065: 3(0.35,0)
  silkscreen extent -0.58,0.58 -0.48,0.67, body extent -0.53,-0.33 0.53,0.33, height 0.4
DFN65P200X200X80_HS-6N [mm] "DFN, 6-Leads, Body 2.00x2.00mm, Pitch 0.65mm, IPC Medium Density"
  rect 0.45x0.42 smd mask+0.055: 1(-0.905,0.65) 2(-0.905,0) 3(-0.905,-0.65) 4(0.905,-0.65) 5(0.905,0) 6(0.905,0.65)
  rect 0.92x0.71 smd mask+0.055: 3(0,-0.475) 6(0,0.475)
  silkscreen extent -1.47,-1.06 1.06,1.27, body extent -1.05,-1.05 1.05,1.05, height 0.65
DG2034EDN [mm] "QFN, 12-Leads, Body 3,00x3,00mm, Pitch 0,50mm, Thermal Pad 1,13x1,13mm, IPC Medium Density"
  oval 0.95x0.25 smd: 1(-1.35,0.5) 2(-1.35,0) 3(-1.35,-0.5) 7(1.35,-0.5) 8(1.35,0) 9(1.35,0.5)
  oval 0.25x0.95 smd: 4(-0.5,-1.35) 5(0,-1.35) 6(0.5,-1.35) 10(0.5,1.35) 11(0,1.35) 12(-0.5,1.35)
  rect 1.13x1.13 smd: 13(0,0)
  silkscreen extent -2.42,-1.65 1.65,1.65, body extent -1.5,-1.5 1.5,1.5, height 1
DSGP.1575.18 [mm]
  rect 2x2.5 smd paste-0.25 mask+0.1: 1(0,-8.1)
  rect 5x5 smd paste-0.6 mask+0.1: 2(-6,6) 2(-6,0) 2(-6,-6) 2(0,6) 2(0,0) 2(6,6) 2(6,0) 2(6,-6)
  round 0.35 on Mech16: 11(-7.5,-7.5) 11(-7.5,-4.5) 11(-7.5,-1.5) 11(-7.5,1.5) 11(-7.5,4.5) 11(-7.5,7.5) 11(-6,6) 11(-6,0) 11(-6,-6) 11(-4.5,7.5) 11(-4.5,-4.5) 11(-4.5,-1.5) 11(-4.5,1.5) 11(-4.5,4.5) 11(-4.5,-7.5) 11(-1.5,7.5) 11(-1.5,4.5) 11(-1.5,1.5) 11(-1.5,-1.5) 11(0,6) 11(0,0) 11(1.5,7.5) 11(1.5,4.5) 11(1.5,1.5) 11(1.5,-1.5) 11(4.5,7.5) 11(4.5,-4.5) 11(4.5,-1.5) 11(4.5,1.5) 11(4.5,4.5) 11(4.5,-7.5) 11(6,6) 11(6,0) 11(6,-6) 11(7.5,-7.5) 11(7.5,-4.5) 11(7.5,-1.5) 11(7.5,1.5) 11(7.5,4.5) 11(7.5,7.5)
  Keep-Out Layer lines w0.01: -1.26,-9.69 -1.84,-9.69 -1.84,-6.51 1.84,-6.51 1.84,-9.69 1.26,-9.69
  Multi-Layer pour cut-out: -2,-6.35 -2,-9.85 2,-9.85 2,-6.35
  silkscreen extent -9,-9 9,9, body extent -9,-9 9,9, height 4.03
Fiducial [mm] "Fiducial Mark"
  round 1 smd far side paste+0 mask+0.5: 0(0,0)
  round 1 smd paste+0 mask+0.5: 0(0,0)
  Top Layer keep-out circle w0.01: c0,0 r1
  Bottom Layer keep-out circle w0.01: c0,0 r1
FPC_05P-0.5mm-RA-SMD [mm] "FPC, 5-Leads, Pitch 0,5mm"
  rect 0.6x2.6 smd: 0(-0.9,-2.3) 0(2.9,-2.3)
  rect 0.3x0.8 smd mask+0.05: 1(0,0) 2(0.5,0) 3(1,0) 4(1.5,0) 5(2,0)
  silkscreen extent -1.38,-3.93 3.38,0.08
HDR_2x2-SMD [mil] "Board-Board Conn, Header, 4-way, 2-row"
  rect 50x150 smd: 1(-50,-87.5) 2(-50,87.5) 3(50,-87.5) 4(50,87.5)
  silkscreen extent -110,-140 100,100
HDR_2x3-SMD [mil] "Board-Board Conn, Header, 6-way, 2-row"
  rect 50x150 smd: 1(-100,-87.5) 2(-100,87.5) 3(0,-87.5) 4(0,87.5) 5(100,-87.5) 6(100,87.5)
  silkscreen extent -160,-140 150,100, body extent -150,-148 150,148, height 382
HDR_2x5-SMD-1.27mm [mm] "Pin Header, 1.27mm SMD"
  rect 0.76x2.4 smd: 1(-2.54,-1.95) 2(-2.54,1.95) 3(-1.27,-1.95) 4(-1.27,1.95) 5(0,-1.95) 6(0,1.95) 7(1.27,-1.95) 8(1.27,1.95) 9(2.54,-1.95) 10(2.54,1.95)
  silkscreen extent -3.17,-3.15 3.17,3.15, body extent -3.16,-2.92 3.19,2.92, height 4.33
HDR_2x5-SMD-1.27mm-K [mm] "SMT MICRO HEADER, (1,27) .050\" Keying Shroud"
  rect 0.76x2.4 smd: 1(-2.54,-1.95) 2(-2.54,1.95) 3(-1.27,-1.95) 4(-1.27,1.95) 5(0,-1.95) 6(0,1.95) 7(1.27,-1.95) 8(1.27,1.95) 9(2.54,-1.95) 10(2.54,1.95)
  silkscreen extent -3.18,-3.15 3.18,3.15, body extent -3.14,-2.92 3.14,2.92, height 6.11
HDR_2x6-NC [mm] "Pin Header, 2.54mm through hole"
  rect 1.5x1.5 hole 0.9: 1(-6.35,-1.27)
  round 1.5 hole 0.9: 2(-6.35,1.27) 3(-3.81,-1.27) 4(-3.81,1.27) 5(-1.27,-1.27) 6(-1.27,1.27) 7(1.27,-1.27) 8(1.27,1.27) 9(3.81,-1.27) 10(3.81,1.27) 11(6.35,-1.27) 12(6.35,1.27)
  silkscreen extent -7.62,-2.54 7.62,2.54
HDR_2x8-NC [mm] "Pin Header, 2.54mm through hole"
  rect 1.5x1.5 hole 0.9: 1(-8.89,-1.27)
  round 1.5 hole 0.9: 2(-8.89,1.27) 3(-6.35,-1.27) 4(-6.35,1.27) 5(-3.81,-1.27) 6(-3.81,1.27) 7(-1.27,-1.27) 8(-1.27,1.27) 9(1.27,-1.27) 10(1.27,1.27) 11(3.81,-1.27) 12(3.81,1.27) 13(6.35,-1.27) 14(6.35,1.27) 15(8.89,-1.27) 16(8.89,1.27)
  silkscreen extent -10.16,-2.54 10.16,2.54
HDR_2x10-NC [mm] "Pin Header, 2.54mm through hole"
  rect 1.5x1.5 hole 0.9: 1(-11.43,-1.27)
  round 1.5 hole 0.9: 2(-11.43,1.27) 3(-8.89,-1.27) 4(-8.89,1.27) 5(-6.35,-1.27) 6(-6.35,1.27) 7(-3.81,-1.27) 8(-3.81,1.27) 9(-1.27,-1.27) 10(-1.27,1.27) 11(1.27,-1.27) 12(1.27,1.27) 13(3.81,-1.27) 14(3.81,1.27) 15(6.35,-1.27) 16(6.35,1.27) 17(8.89,-1.27) 18(8.89,1.27) 19(11.43,-1.27) 20(11.43,1.27)
  silkscreen extent -12.7,-2.54 12.7,2.54
HDR_2x10-SMD-1.27mm-NC [mm] "SMT MICRO HEADER, (1,27) .050\""
  rect 0.76x2.4 smd paste-1.27: 11(0.635,-1.95) 12(0.635,1.95) 13(1.905,-1.95) 14(1.905,1.95) 15(3.175,-1.95) 16(3.175,1.95) 17(4.445,-1.95) 18(4.445,1.95) 19(5.715,-1.95) 20(5.715,1.95)
  silkscreen extent -6.35,-3.15 6.35,3.15
INDC0603X03L_C [mm] "Chip Inductor, 2-Leads, Body 0.6x0.3mm, IPC High Density"
  rect 0.27x0.3 smd: 1(-0.285,0) 2(0.285,0)
  silkscreen extent -0.49,-0.22 0.49,0.22, body extent -0.31,-0.16 0.31,0.16, height 0.26
INDC1005X04L [mm] "Chip Inductor, 2-Leads, Body 1.0x0.5mm, IPC High Density"
  rect 0.65x0.5 smd: 1(-0.475,0) 2(0.475,0)
  silkscreen extent -0.9,-0.35 0.9,0.35, body extent -0.5,-0.3 0.5,0.3, height 0.5
INDC1005X04L_NC [mm] "Chip Inductor, 2-Leads, Body 1.0x0.5mm, IPC High Density"
  rect 0.65x0.5 smd: 1(-0.475,0) 2(0.475,0)
  silkscreen extent -0.9,-0.35 0.9,0.35
INDC1005X04L_WW [mm] "Chip Inductor, 2-Leads, Body 1.0x0.5mm, IPC High Density"
  rect 0.65x0.5 smd: 1(-0.475,0) 2(0.475,0)
  silkscreen extent -0.9,-0.35 0.9,0.35, body extent -0.5,-0.3 0.5,0.3, height 0.51
INDC1608X06L [mm] "Chip Inductor, 2-Leads, Body 1.6x0.8mm, IPC High Density"
  rect 0.75x0.8 smd: 1(-0.675,0) 2(0.675,0)
  silkscreen extent -1.17,-0.5 1.17,0.5, body extent -0.8,-0.48 0.8,0.48, height 0.8
JS102011JAQN [mm] "Slide Switches - DPDT, SMD, ON-ON"
  round 0.9 hole 0.9 unplated mask+0: 0(-3.4,0) 0(3.4,0)
  rect 0.5x0.5 smd: 1(-2.5,-1.2) 3(2.5,-1.2) 4(-2.5,1.2) 6(2.5,1.2)
  rect 1x1.6 smd: 2(0,-1.2) 5(0,1.2)
  Top Layer region: 3,-0.562 2.838,-0.4 2,-0.4 2,-2 3,-2
  Top Layer region: 3,0.562 2.838,0.4 2,0.4 2,2 3,2
  Top Layer region: -3,-0.562 -2.838,-0.4 -2,-0.4 -2,-2 -3,-2
  Top Layer region: -3,0.562 -2.838,0.4 -2,0.4 -2,2 -3,2
  silkscreen extent -4.5,-3.8 4.5,1.75, body extent -4.25,-3.75 4.25,1.75, height 3.5
JS102011JCQN [mm]
  rect 1x1.6 smd: 1(-2.5,-1.2) 2(0,1.2) 3(2.5,-1.2)
  silkscreen extent -4.3,-2.1 4.3,2.1, body extent -4.25,-2.05 4.25,2.05, height 5.22
LED_0603_G [mil] "SMD Super Bright LED, GREEN"
  rect 30x32 smd: 1(-27.5,0) 2(27.5,0)
  silkscreen extent -58,-20 48,20, body extent -32,-16 32,16, height 24
LGA50P1600X1050X104-161N [mm]
  rect 0.54x0.54 smd mask+0.05: 1(-7.87,5.12) 21(-7.87,-5.12) 52(7.87,-5.12) 72(7.87,5.12)
  rect 0.54x0.3 smd mask+0.05: 2(-7.87,4.5) 3(-7.87,4) 4(-7.87,3.5) 5(-7.87,3) 6(-7.87,2.5) 7(-7.87,2) 8(-7.87,1.5) 9(-7.87,1) 10(-7.87,0.5) 11(-7.87,0) 12(-7.87,-0.5) 13(-7.87,-1) 14(-7.87,-1.5) 15(-7.87,-2) 16(-7.87,-2.5) 17(-7.87,-3) 18(-7.87,-3.5) 19(-7.87,-4) 20(-7.87,-4.5) 53(7.87,-4.5) 54(7.87,-4) 55(7.87,-3.5) 56(7.87,-3) 57(7.87,-2.5) 58(7.87,-2) 59(7.87,-1.5) 60(7.87,-1) 61(7.87,-0.5) 62(7.87,0) 63(7.87,0.5) 64(7.87,1) 65(7.87,1.5) 66(7.87,2) 67(7.87,2.5) 68(7.87,3) 69(7.87,3.5) 70(7.87,4) 71(7.87,4.5)
  rect 0.3x0.54 smd mask+0.05: 22(-7.25,-5.12) 23(-6.75,-5.12) 24(-6.25,-5.12) 25(-5.75,-5.12) 26(-5.25,-5.12) 27(-4.75,-5.12) 28(-4.25,-5.12) 29(-3.75,-5.12) 30(-3.25,-5.12) 31(-2.75,-5.12) 32(-2.25,-5.12) 33(-1.75,-5.12) 34(-1.25,-5.12) 35(-0.75,-5.12) 36(-0.25,-5.12) 37(0.25,-5.12) 38(0.75,-5.12) 39(1.25,-5.12) 40(1.75,-5.12) 41(2.25,-5.12) 42(2.75,-5.12) 43(3.25,-5.12) 44(3.75,-5.12) 45(4.25,-5.12) 46(4.75,-5.12) 47(5.25,-5.12) 48(5.75,-5.12) 49(6.25,-5.12) 50(6.75,-5.12) 51(7.25,-5.12) 73(7.25,5.12) 74(6.75,5.12) 75(6.25,5.12) 76(5.75,5.12) 77(5.25,5.12) 78(4.75,5.12) 79(4.25,5.12) 80(3.75,5.12) 81(3.25,5.12) 82(2.75,5.12) 83(2.25,5.12) 84(1.75,5.12) 85(1.25,5.12) 86(0.75,5.12) 87(0.25,5.12) 88(-0.25,5.12) 89(-0.75,5.12) 90(-1.25,5.12) 91(-1.75,5.12) 92(-2.25,5.12) 93(-2.75,5.12) 94(-3.25,5.12) 95(-3.75,5.12) 96(-4.25,5.12) 97(-4.75,5.12) 98(-5.25,5.12) 99(-5.75,5.12) 100(-6.25,5.12) 101(-6.75,5.12) 102(-7.25,5.12)
  rect 0.8x0.8 smd mask+0.05: 103(-6,-3.2) 103(-6,-1.6) 103(-6,0) 103(-6,1.6) 103(-6,3.2) 103(-4,-3.2) 103(-4,-1.6) 103(-4,0) 103(-4,1.6) 103(-4,3.2) 103(-2,-3.2) 103(-2,-1.6) 103(-2,0) 103(-2,1.6) 103(-2,3.2) 103(0,-3.2) 103(0,-1.6) 103(0,0) 103(0,1.6) 103(0,3.2) 103(2,-3.2) 103(2,-1.6) 103(2,0) 103(2,1.6) 103(2,3.2) 103(4,-3.2) 103(4,-1.6) 103(4,0) 103(4,1.6) 103(4,3.2) 103(6,-3.2) 103(6,-1.6) 103(6,0) 103(6,1.6) 103(6,3.2)
  rect 0.3x0.3 smd mask+0.05: 104(-5.75,-4.35) 105(-5.25,-4.35) 106(-4.75,-4.35) 107(-4.25,-4.35) 108(-1.75,-4.35) 109(-1.25,-4.35) 110(-0.75,-4.35) 111(-0.25,-4.35) 112(3.25,-4.35) 113(3.75,-4.35) 114(4.25,-4.35) 115(4.75,-4.35) 116(4.75,4.35) 117(4.25,4.35) 118(3.75,4.35) 119(3.25,4.35) 120(-0.25,4.35) 121(-0.75,4.35) 122(-1.25,4.35) 123(-1.75,4.35) 124(-4.25,4.35) 125(-4.75,4.35) 126(-5.25,4.35) 127(-5.75,4.35)
  Top Layer pour cut-out: -8.15,5.4 8.15,5.4 8.15,-5.4 -8.15,-5.4
  silkscreen extent -9.05,-5.5 8.25,5.5, body extent -8.05,-5.3 8.05,5.3, height 1.2
LIST_1x6_SMD-NC [mm] "Pin List, 2.54mm, SMD"
  rect 1.02x2.19 smd: 1(0,-1.465) 1(0,1.465) 2(2.54,-1.465) 2(2.54,1.465) 3(5.08,-1.465) 3(5.08,1.465) 4(7.62,-1.465) 4(7.62,1.465) 5(10.16,-1.465) 5(10.16,1.465) 6(12.7,-1.465) 6(12.7,1.465)
  silkscreen extent -1.27,-1.27 13.97,1.27
LIST_1x8_SMD-NC [mm] "Pin List, 2.54mm, SMD"
  rect 1.02x2.19 smd: 1(0,-1.465) 1(0,1.465) 2(2.54,-1.465) 2(2.54,1.465) 3(5.08,-1.465) 3(5.08,1.465) 4(7.62,-1.465) 4(7.62,1.465) 5(10.16,-1.465) 5(10.16,1.465) 6(12.7,-1.465) 6(12.7,1.465) 7(15.24,-1.465) 7(15.24,1.465) 8(17.78,-1.465) 8(17.78,1.465)
  silkscreen extent -1.27,-1.27 19.05,1.27
LIST_1x10_SMD-NC [mm] "Pin List, 2.54mm, SMD"
  rect 1.02x2.19 smd: 1(0,-1.465) 1(0,1.465) 2(2.54,-1.465) 2(2.54,1.465) 3(5.08,-1.465) 3(5.08,1.465) 4(7.62,-1.465) 4(7.62,1.465) 5(10.16,-1.465) 5(10.16,1.465) 6(12.7,-1.465) 6(12.7,1.465) 7(15.24,-1.465) 7(15.24,1.465) 8(17.78,-1.465) 8(17.78,1.465) 9(20.32,-1.465) 9(20.32,1.465) 10(22.86,-1.465) 10(22.86,1.465)
  silkscreen extent -1.27,-1.27 24.13,1.27
LIST_1x13_SMD [mm] "Pin List, 2.54mm, SMD"
  rect 1.02x2.19 smd: 1(0,-1.465) 1(0,1.465) 2(2.54,-1.465) 2(2.54,1.465) 3(5.08,-1.465) 3(5.08,1.465) 4(7.62,-1.465) 4(7.62,1.465) 5(10.16,-1.465) 5(10.16,1.465) 6(12.7,-1.465) 6(12.7,1.465) 7(15.24,-1.465) 7(15.24,1.465) 8(17.78,-1.465) 8(17.78,1.465) 9(20.32,-1.465) 9(20.32,1.465) 10(22.86,-1.465) 10(22.86,1.465) 11(25.4,-1.465) 11(25.4,1.465) 12(27.94,-1.465) 12(27.94,1.465) 13(30.48,-1.465) 13(30.48,1.465)
  silkscreen extent -1.27,-1.27 31.75,1.27, body extent -1.27,-2.5 31.75,2.5, height 9.82
LIST_1x13_SMD-NC [mm] "Pin List, 2.54mm, SMD"
  rect 1.02x2.19 smd: 1(0,-1.465) 1(0,1.465) 2(2.54,-1.465) 2(2.54,1.465) 3(5.08,-1.465) 3(5.08,1.465) 4(7.62,-1.465) 4(7.62,1.465) 5(10.16,-1.465) 5(10.16,1.465) 6(12.7,-1.465) 6(12.7,1.465) 7(15.24,-1.465) 7(15.24,1.465) 8(17.78,-1.465) 8(17.78,1.465) 9(20.32,-1.465) 9(20.32,1.465) 10(22.86,-1.465) 10(22.86,1.465) 11(25.4,-1.465) 11(25.4,1.465) 12(27.94,-1.465) 12(27.94,1.465) 13(30.48,-1.465) 13(30.48,1.465)
  silkscreen extent -1.27,-1.27 31.75,1.27
LIST_ANG_1x2-SMD-2.54MM [mm] "Pin List, 2.54mm, Surface Mount, Angled"
  round 1.78 hole 1.78 unplated: 0(0,-4.496)
  rect 1.27x3.18 smd: 1(-1.27,0) 2(1.27,0)
  silkscreen extent -2.54,-11.58 2.54,-1.8, body extent -2.56,-11.61 2.52,1.35, height 3.03
LIST_ANG_1x6-SMD-2.54MM [mm] "Pin List, 2.54mm, Surface Mount, Angled"
  round 1.78 hole 1.78 unplated: 0(-5.08,-4.496) 0(5.08,-4.496)
  rect 1.27x3.18 smd: 1(-6.35,0) 2(-3.81,0) 3(-1.27,0) 4(1.27,0) 5(3.81,0) 6(6.35,0)
  silkscreen extent -6.6,2.29 -6.1,2.79
Molex_502774-0891 [mm] "SD Micro, Molex 0473521001, Push-Push"
  rect 1.5x1.7 smd mask+0.05: 0(-0.75,14.77) 0(12.75,14.77)
  rect 1.6x1.5 smd mask+0.05: 0(-0.21,0)
  rect 1.7x1.5 smd mask+0.05: 0(12.45,0)
  rect 0.8x1.68 smd mask+0.05: 1(8.9,0.08) 2(7.8,0.08) 3(6.7,0.08) 4(5.6,0.08) 5(4.5,0.08) 6(3.4,0.08) 7(2.3,0.08) 8(1.2,0.08)
  rect 1.29x1.3 smd mask+0.05: 9(-0.96,1.6)
  rect 1.29x1.4 smd mask+0.05: 10(-0.96,8.97)
  silkscreen extent -1.2,0 13,15
NX3020NAKV [mm] "SOTFL, 6-Leads, Body 1.60x1.60mm, Pitch 0.50mm, IPC Medium Density"
  rect 0.65x0.35 smd: 1(-0.75,0.5) 2(-0.75,0) 3(-0.75,-0.5) 4(0.75,-0.5) 5(0.75,0) 6(0.75,0.5)
  silkscreen extent -0.87,-0.85 0.05,1.35, body extent -0.8,-0.85 0.8,0.85, height 0.6